# Altium PCB controller.PcbDoc (part 6 of 6)
Units mm, origin at the board's own origin, x right, y up, seen from the top; angles counter-clockwise.
Board outline 151 x 78 mm, 2 copper layers (Top Layer, Bottom Layer); 227 components, 202 nets, 805 pads, 125 vias.
Unrouted connection lines stored in the file: 1.
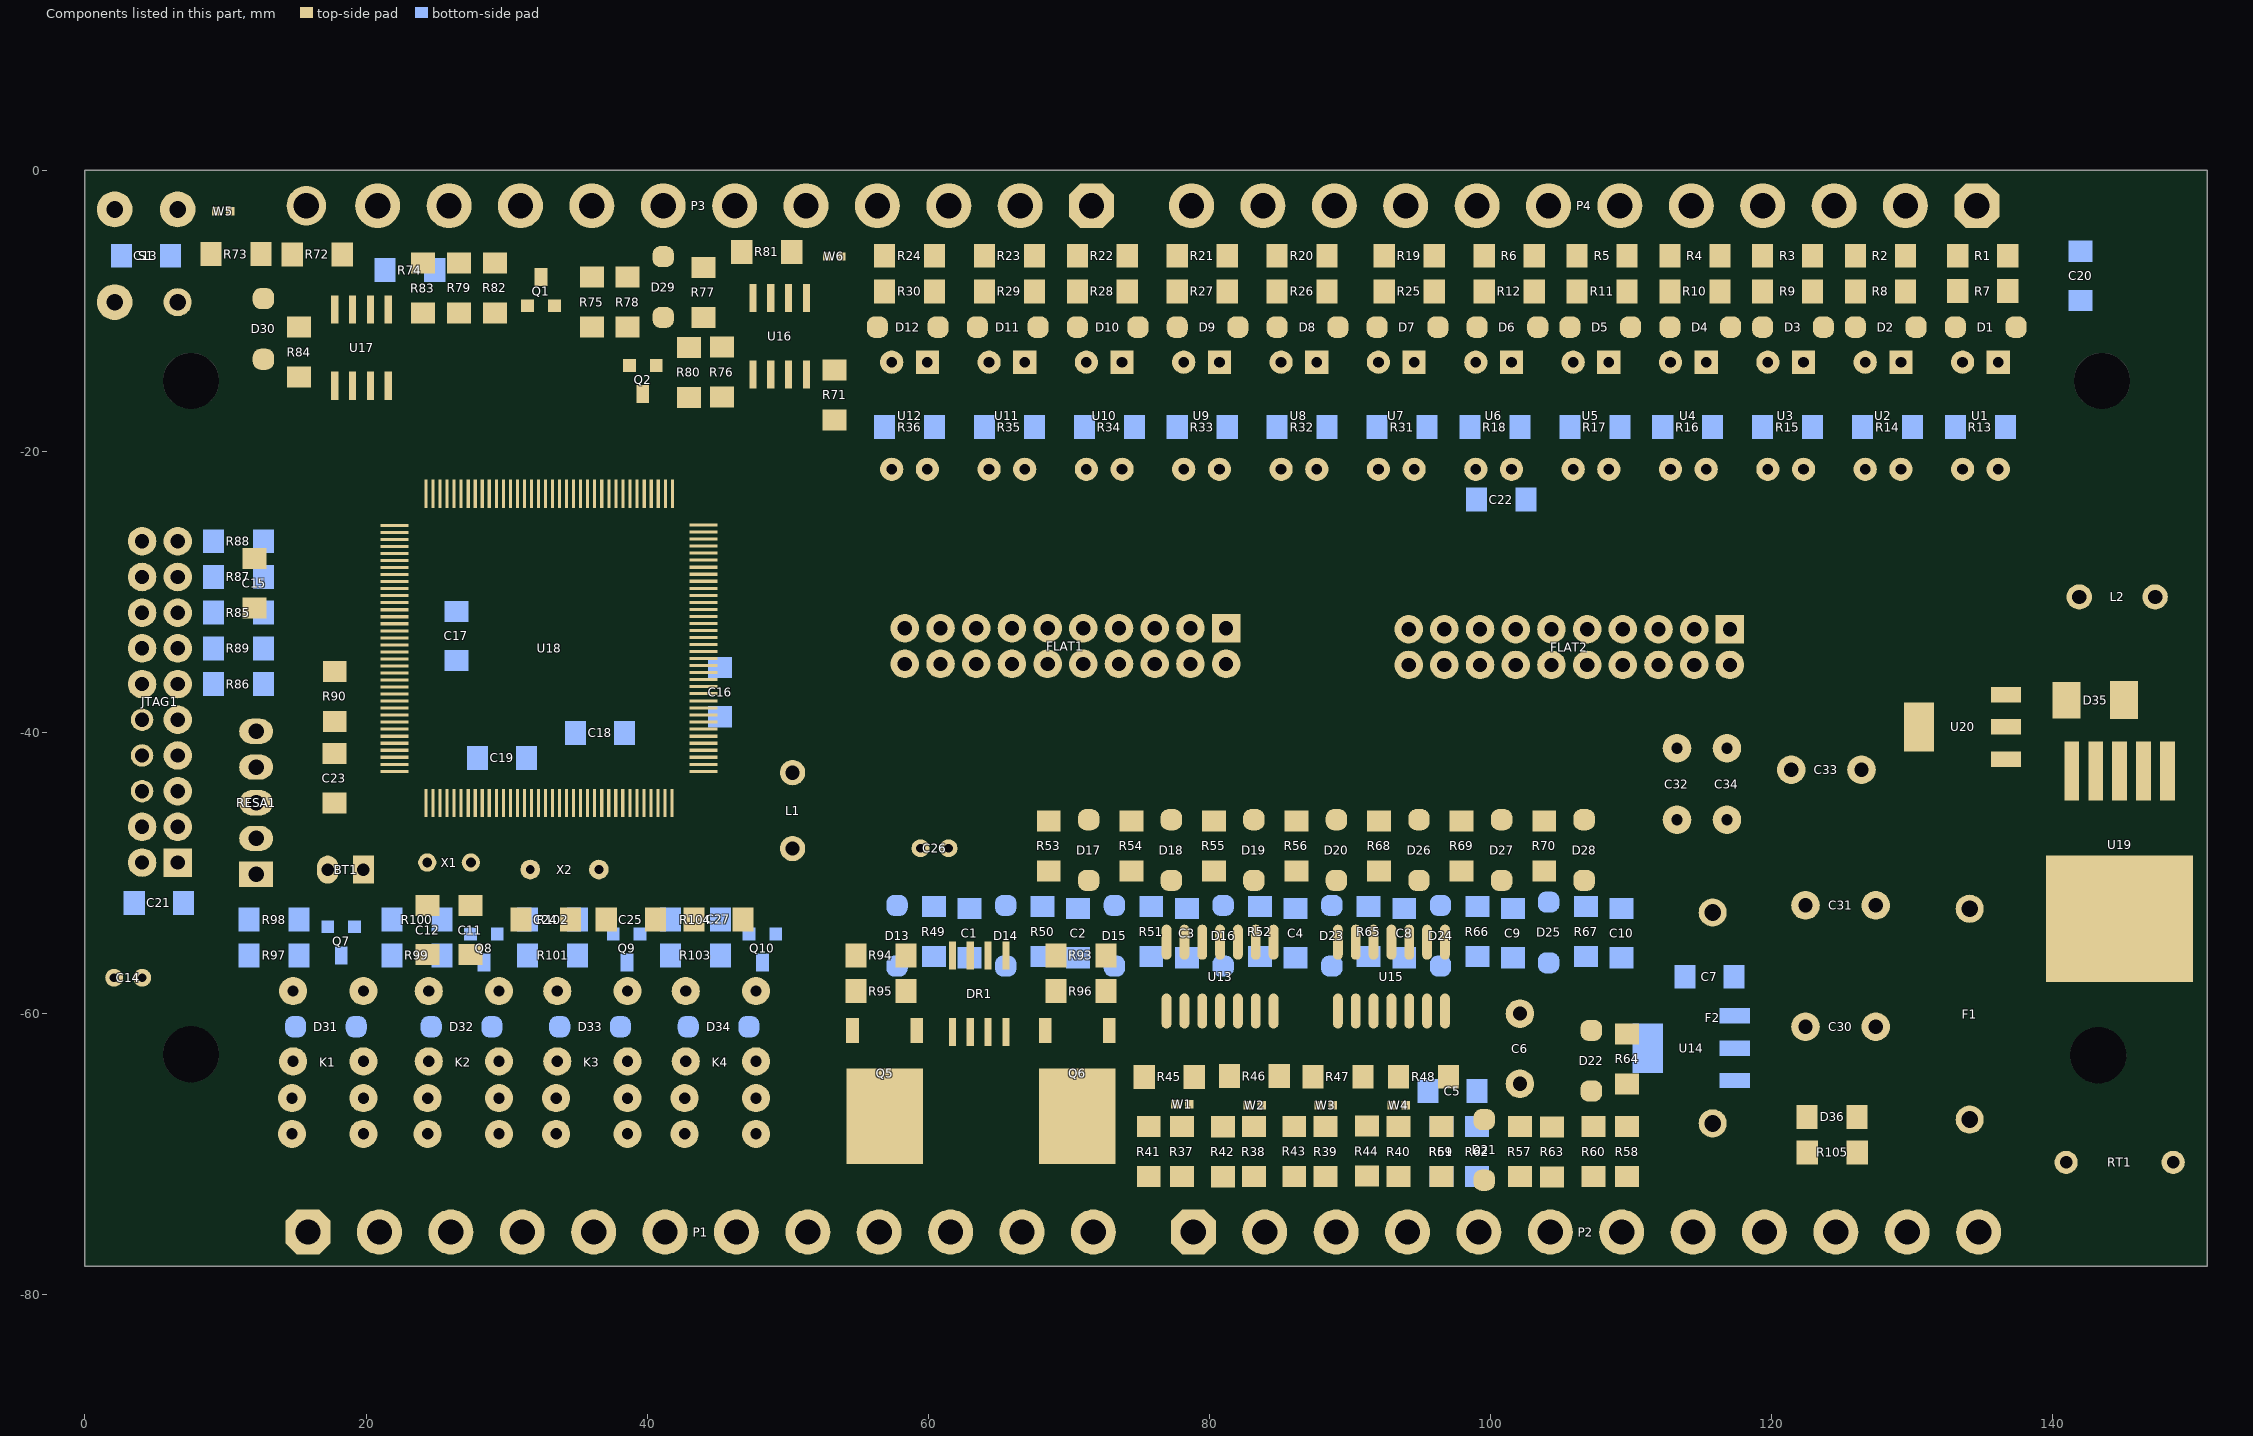
[diagram p6: the components of this part, seen from the top]

## Via types
v1: diameter 0.7, hole 0.4, Top Layer to Bottom Layer, tented both sides, 124 vias
v2: diameter 0.8, hole 0.5, Top Layer to Bottom Layer, tented both sides, 1 vias

## Nets (pads, with @x,y where several pads share a name; then routed paths per layer and width w, separated by ;. In a path a pad name is that pad's centre, name@x,y a point inside that pad or via, vN(x,y) a via of type N, cw(c..) or ccw(c..) an arc to the next point about the centre after c; other vN are vias at no path point) (continued)
pads on no net: DR1.1 DR1.8 K1.2 K2.2 K3.2 K4.2 S1.1 S1.4 U15.12 U15.13 U15.14 U16.5 U18.3 U18.4 U18.5 U18.7 U18.10 U18.12 U18.13 U18.14 U18.15 U18.19 U18.20 U18.21 U18.22 U18.34 U18.37 U18.48 U18.69 U18.70 U18.73 U18.74 U18.75 U18.76 U18.81 U18.82 U18.106 U18.122 U18.124 U18.125 U18.126 U18.127 U18.128 U18.129 U18.132 U18.135 U18.136 U18.137 U18.139 U18.140 U18.141 U18.142

## Polygon pours and split planes (outlines as drawn)
GND on Top Layer "GNDTT" (solid, remove dead copper, pour order 1000): 150.775,-0.225 -0.625,-0.225 -0.625,-77 0,-77.625 0.375,-78 151,-78
GND on Bottom Layer "GNDbb" (solid, remove dead copper, pour order 1001): 151,-0.325 151,-77.525 150.75,-77.775 -0.325,-77.775 -0.325,0.475

## Keep-outs
Keep-Out Layer:
  the board outline again, w0.254

## Other copper
Top Layer:
  region net C4: 41.529,-65.405 41.529,-66.929 43.815,-66.929 44.323,-67.437 44.323,-71.882 43.942,-72.898 43.942,-77.724 48.514,-77.724 48.514,-73.025 46.355,-71.755 46.355,-67.437 46.736,-67.056 48.514,-67.056 48.895,-66.675 48.895,-65.405 48.641,-65.151 41.783,-65.151
  region net C3: 32.512,-65.405 32.512,-66.929 34.798,-66.929 35.052,-67.183 35.052,-72.136 33.655,-73.533 33.655,-77.724 38.608,-77.724 38.608,-73.025 37.211,-71.907 37.211,-67.564 37.719,-67.056 39.497,-67.056 39.878,-66.675 39.878,-65.405 39.624,-65.151 32.766,-65.151
  region net C2: 23.241,-65.405 23.241,-66.929 25.527,-66.929 26.035,-67.437 26.035,-71.882 23.622,-74.295 23.622,-77.724 28.067,-77.724 28.067,-67.437 28.448,-67.056 30.226,-67.056 30.607,-66.675 30.607,-65.405 30.353,-65.151 23.495,-65.151
  region net C1: 13.589,-65.278 13.589,-66.802 15.875,-66.802 16.256,-67.183 16.256,-71.882 13.843,-74.295 13.843,-77.597 14.097,-77.851 17.78,-77.851 18.415,-77.216 18.415,-67.31 18.796,-66.929 20.574,-66.929 20.955,-66.548 20.955,-65.278 20.701,-65.024 13.843,-65.024
  region net NetF1_1: 144.399,-70.358 142.494,-72.263 133.223,-72.263 130.683,-69.723 130.683,-65.405 131.318,-64.77 136.525,-64.77 144.399,-69.469
  region net INPUT: 132.715,-77.851 132.715,-74.549 134.112,-73.152 142.875,-73.152 147.193,-68.834 149.86,-68.834 150.876,-69.85 150.876,-76.962 150.114,-77.724
  region net M2: 69.469,-77.851 74.168,-77.851 74.422,-77.343 74.422,-73.787 73.406,-72.771 73.4,-64.15 73.279,-64.135 67.564,-64.135 67.175,-64.459 67.175,-72.382 69.215,-74.422 69.215,-77.47
  region net M1: 54.229,-64.135 61.976,-64.135 63.45,-65.269 63.45,-77.736 63.373,-77.851 59.563,-77.851 59.309,-77.47 59.309,-72.771 57.531,-70.993 54.102,-70.993
  region net GND: 58.1,-77.675 58.125,-77.65 58.55,-77.65 58.55,-73.675 56.775,-71.9 54.35,-71.9 53.525,-71.5 53.05,-70.625 53.05,-64.025 55.2,-61.875 55.15,-61.825 55.15,-60.025 51.5,-60.025 49.45,-62.075 49.45,-69.925 54.175,-74.65 54.175,-77 54.825,-77.65
  region net GND: 64.275,-77.7 64.275,-63.4 64.85,-62.825 66.3,-62.825 67.025,-62.1 67.025,-60.325 67.4,-59.95 69.05,-59.95 69.525,-60.425 69.525,-62.475 68.45,-63.55 66.9,-63.55 66.4,-64.05 66.4,-72.975 68.275,-74.85 68.275,-77.375 68,-77.7
  region net +12V: 147.775,-42.825 147.675,-42.925 147.675,-45.475 146.4,-46.75 133,-46.75 130.575,-49.175 130.575,-53.75 128.575,-55.75 122.775,-55.75 120.725,-57.8 120.725,-65.6 122.2,-67.075 124.1,-67.075 124.1,-60.675 126.525,-58.25 133.025,-58.25 137.825,-53.45 137.825,-49.1 138.9,-48.025 147.475,-48.025 147.475,-47.925 149.3,-46.1 149.3,-40.675 147.625,-40.675
  region net GND: 149.875,-48.725 149.825,-48.775 139.575,-48.775 139.575,-53.175 133.625,-59.125 126.9,-59.125 124.95,-61.075 124.95,-65.05 125.5,-65.6 126.9,-65.6 127.825,-66.225 127.825,-68.625 122.25,-74.2 122.25,-77.4 122.95,-78.1 131.2,-78.1 132.25,-77.05 132.25,-72.15 130.25,-70.15 130.25,-64.85 131.1,-64 137.475,-64 138.75,-62.725 138.75,-59.075 139.775,-58.05 139.875,-58.15 149.975,-58.15
  region net GND: 141.925,-40.8 138.425,-40.8 137.9,-41.325 133.075,-41.325 131.725,-42.675 128.6,-42.675 127.3,-41.375 124.6,-41.375 123.2,-42.775 123.2,-50.025 124.35,-51.175 124.35,-54.425 124.95,-55.025 128.275,-55.025 129.725,-53.575 129.725,-48.975 132.65,-46.05 141.354,-46.05 141.975,-45.429 141.975,-42.675
  region net +5V: 123.65,-31.625 133.925,-31.625 137.5,-28.05 142.925,-28.05 143.875,-29 143.625,-29.25 143.625,-40.925 143.575,-40.975 142.575,-40.975 142.575,-35.875 142.075,-35.375 138.95,-35.375 137.925,-36.4 137.925,-37.775 133.725,-37.775 132.525,-36.575 125.825,-36.575 122.787,-39.613 121.625,-40.8 120.625,-40.8 119.775,-41.975 119.775,-44 119.275,-44.45 115.875,-44.45 114.65,-45.675 114.65,-47.175 116.725,-50.275 122.3,-50.3 123.65,-51.625 123.65,-52.775 122.825,-53.725 111.05,-53.725 110.6,-52.825 110.575,-47.225 110.6,-44.2 113.625,-43.05 118.4,-43.05 118.4,-43.075 118.375,-39.425 116.075,-36.275 116.05,-34.35 121.775,-34.35
  region net NetD35_2: 148.375,-29.3 145.525,-29.3 144.275,-30.55 144.275,-38.4 145.925,-40.05 145.925,-41.375 146.95,-41.375 147.025,-41.45 147.05,-41.425 147.05,-34.425 148.875,-32.6 148.875,-29.65
  region net OUT_5V: 113.925,-65.95 119.85,-65.95 120.95,-67.05 120.95,-73.825 121.4,-74.275 121.4,-77.45 120.85,-78 117.8,-78 117.075,-77.275 117.075,-73.075 116.975,-73.075 113.925,-70.025
Bottom Layer:
  region net O1: 13.589,-67.691 20.828,-67.691 21.717,-68.58 21.717,-72.517 23.241,-74.041 23.241,-76.835 22.352,-77.724 19.685,-77.724 18.415,-76.454 18.415,-72.136 17.145,-70.866 14.351,-70.866 13.589,-70.104
  region net O2: 23.368,-67.691 30.734,-67.691 31.242,-68.199 31.242,-72.136 33.401,-74.295 33.401,-76.835 32.512,-77.724 29.845,-77.724 28.702,-76.581 28.702,-73.533 26.035,-70.866 23.876,-70.866 23.368,-70.358
  region net O3: 32.512,-67.691 40.132,-67.691 40.386,-67.945 40.386,-71.374 43.434,-74.422 43.434,-76.962 42.672,-77.724 39.878,-77.724 38.735,-76.581 38.735,-73.533 35.941,-70.739 32.893,-70.739 32.512,-70.358
  region net 3.3V: 128.7,-39.5 131.95,-39.5 138.175,-33.275 138.175,-31.3 148.525,-20.95 148.525,-10.75 146.325,-8.55 141.275,-8.55 141.275,-9.9 141.35,-9.975 145.875,-9.975 147.5,-11.6 147.5,-18.9 145.525,-20.875 141.325,-20.875 140.325,-21.875 140.325,-23.525 128.225,-35.625 128.225,-38.875
  region net O4: 41.578,-67.624 49.198,-67.624 49.2,-67.625 53.2,-72.875 53.2,-77.65 51.738,-77.657 48.944,-77.657 48.944,-73.969 45.647,-70.672 41.959,-70.672 41.578,-70.291

## Silkscreen, mask and mechanical layers (free items; w line width, h text height)
Top Solder:
  region: 69.469,-77.851 74.168,-77.851 74.422,-77.343 74.422,-73.787 73.406,-72.771 73.4,-64.15 73.279,-64.135 67.564,-64.135 67.175,-64.459 67.175,-72.382 69.215,-74.422 69.215,-77.47
  region: 54.229,-64.135 61.976,-64.135 63.45,-65.269 63.45,-77.736 63.373,-77.851 59.563,-77.851 59.309,-77.47 59.309,-72.771 57.531,-70.993 54.102,-70.993